# Altium PCB OpenPLCv0.2.0.PcbDoc (part 1 of 6)
Units mm, origin at the board's own origin, x right, y up, seen from the top; angles counter-clockwise.
Board outline 180 x 120 mm, 4 copper layers (Top Copper, Int1 Copper (GND), Int2 Copper (GND), Bottom Copper), stack 1.57 mm thick; 541 components, 405 nets, 1586 pads, 1395 vias.
Unrouted connection lines stored in the file: 4.
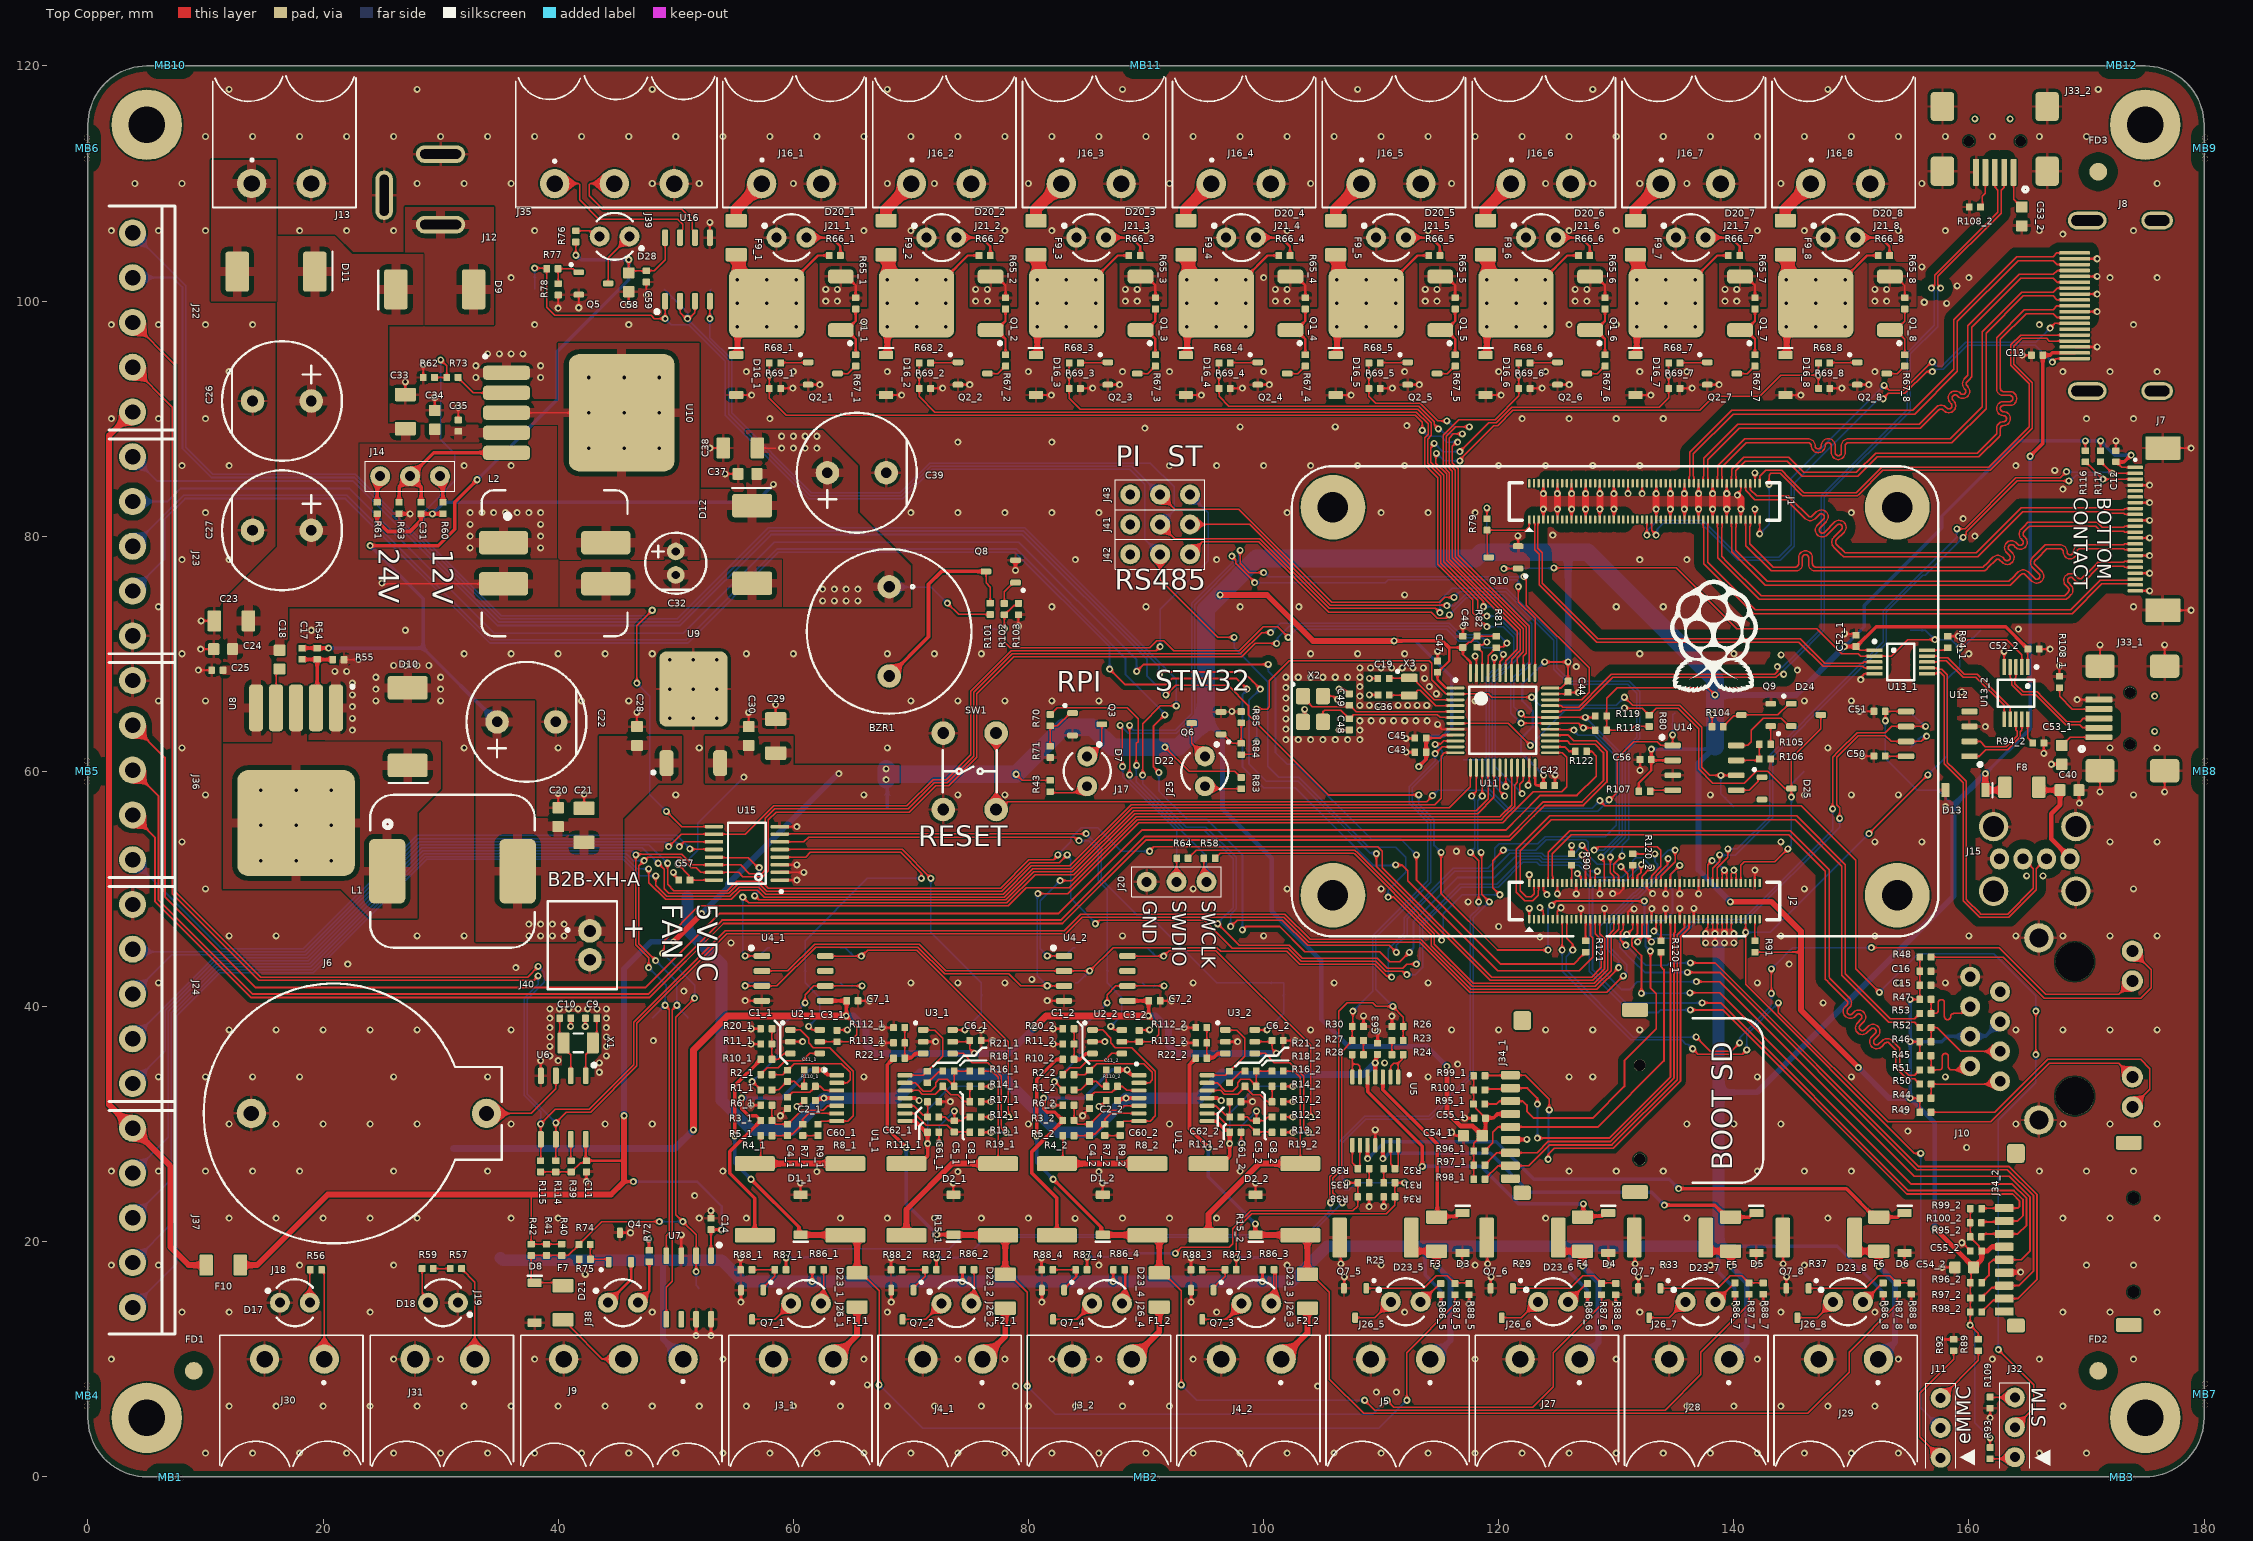
[diagram p0: Top Copper view]
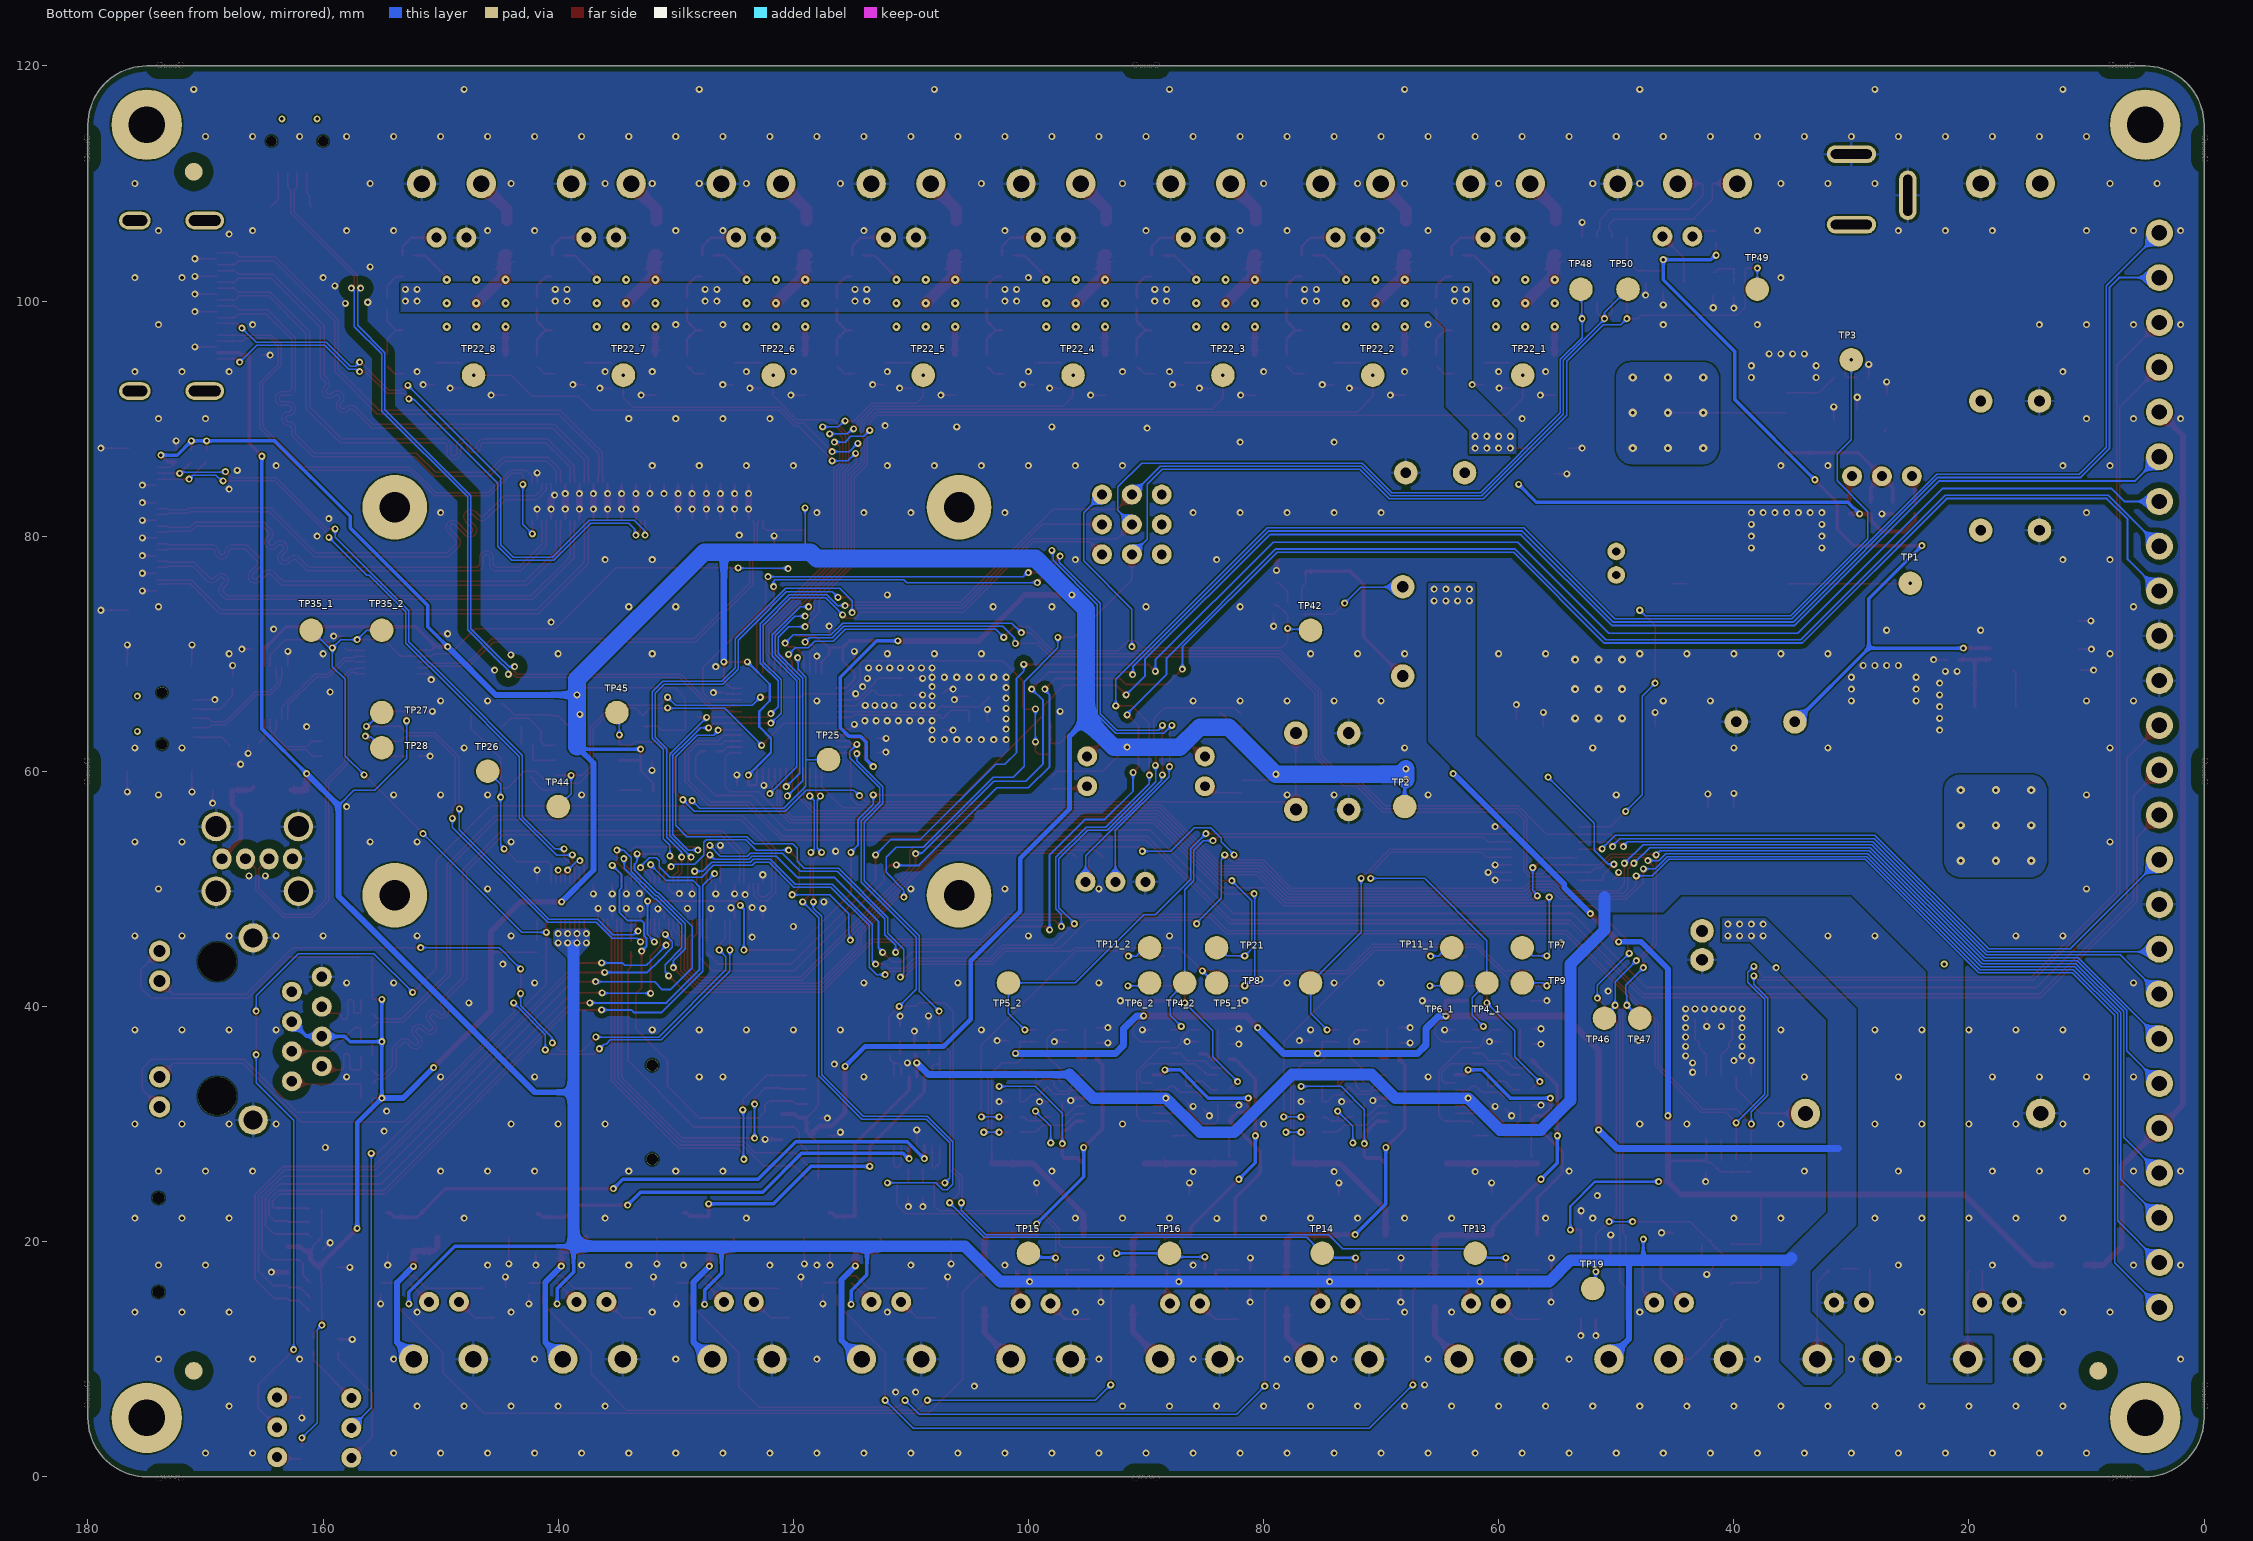
[diagram p1: Bottom Copper view, seen from below]
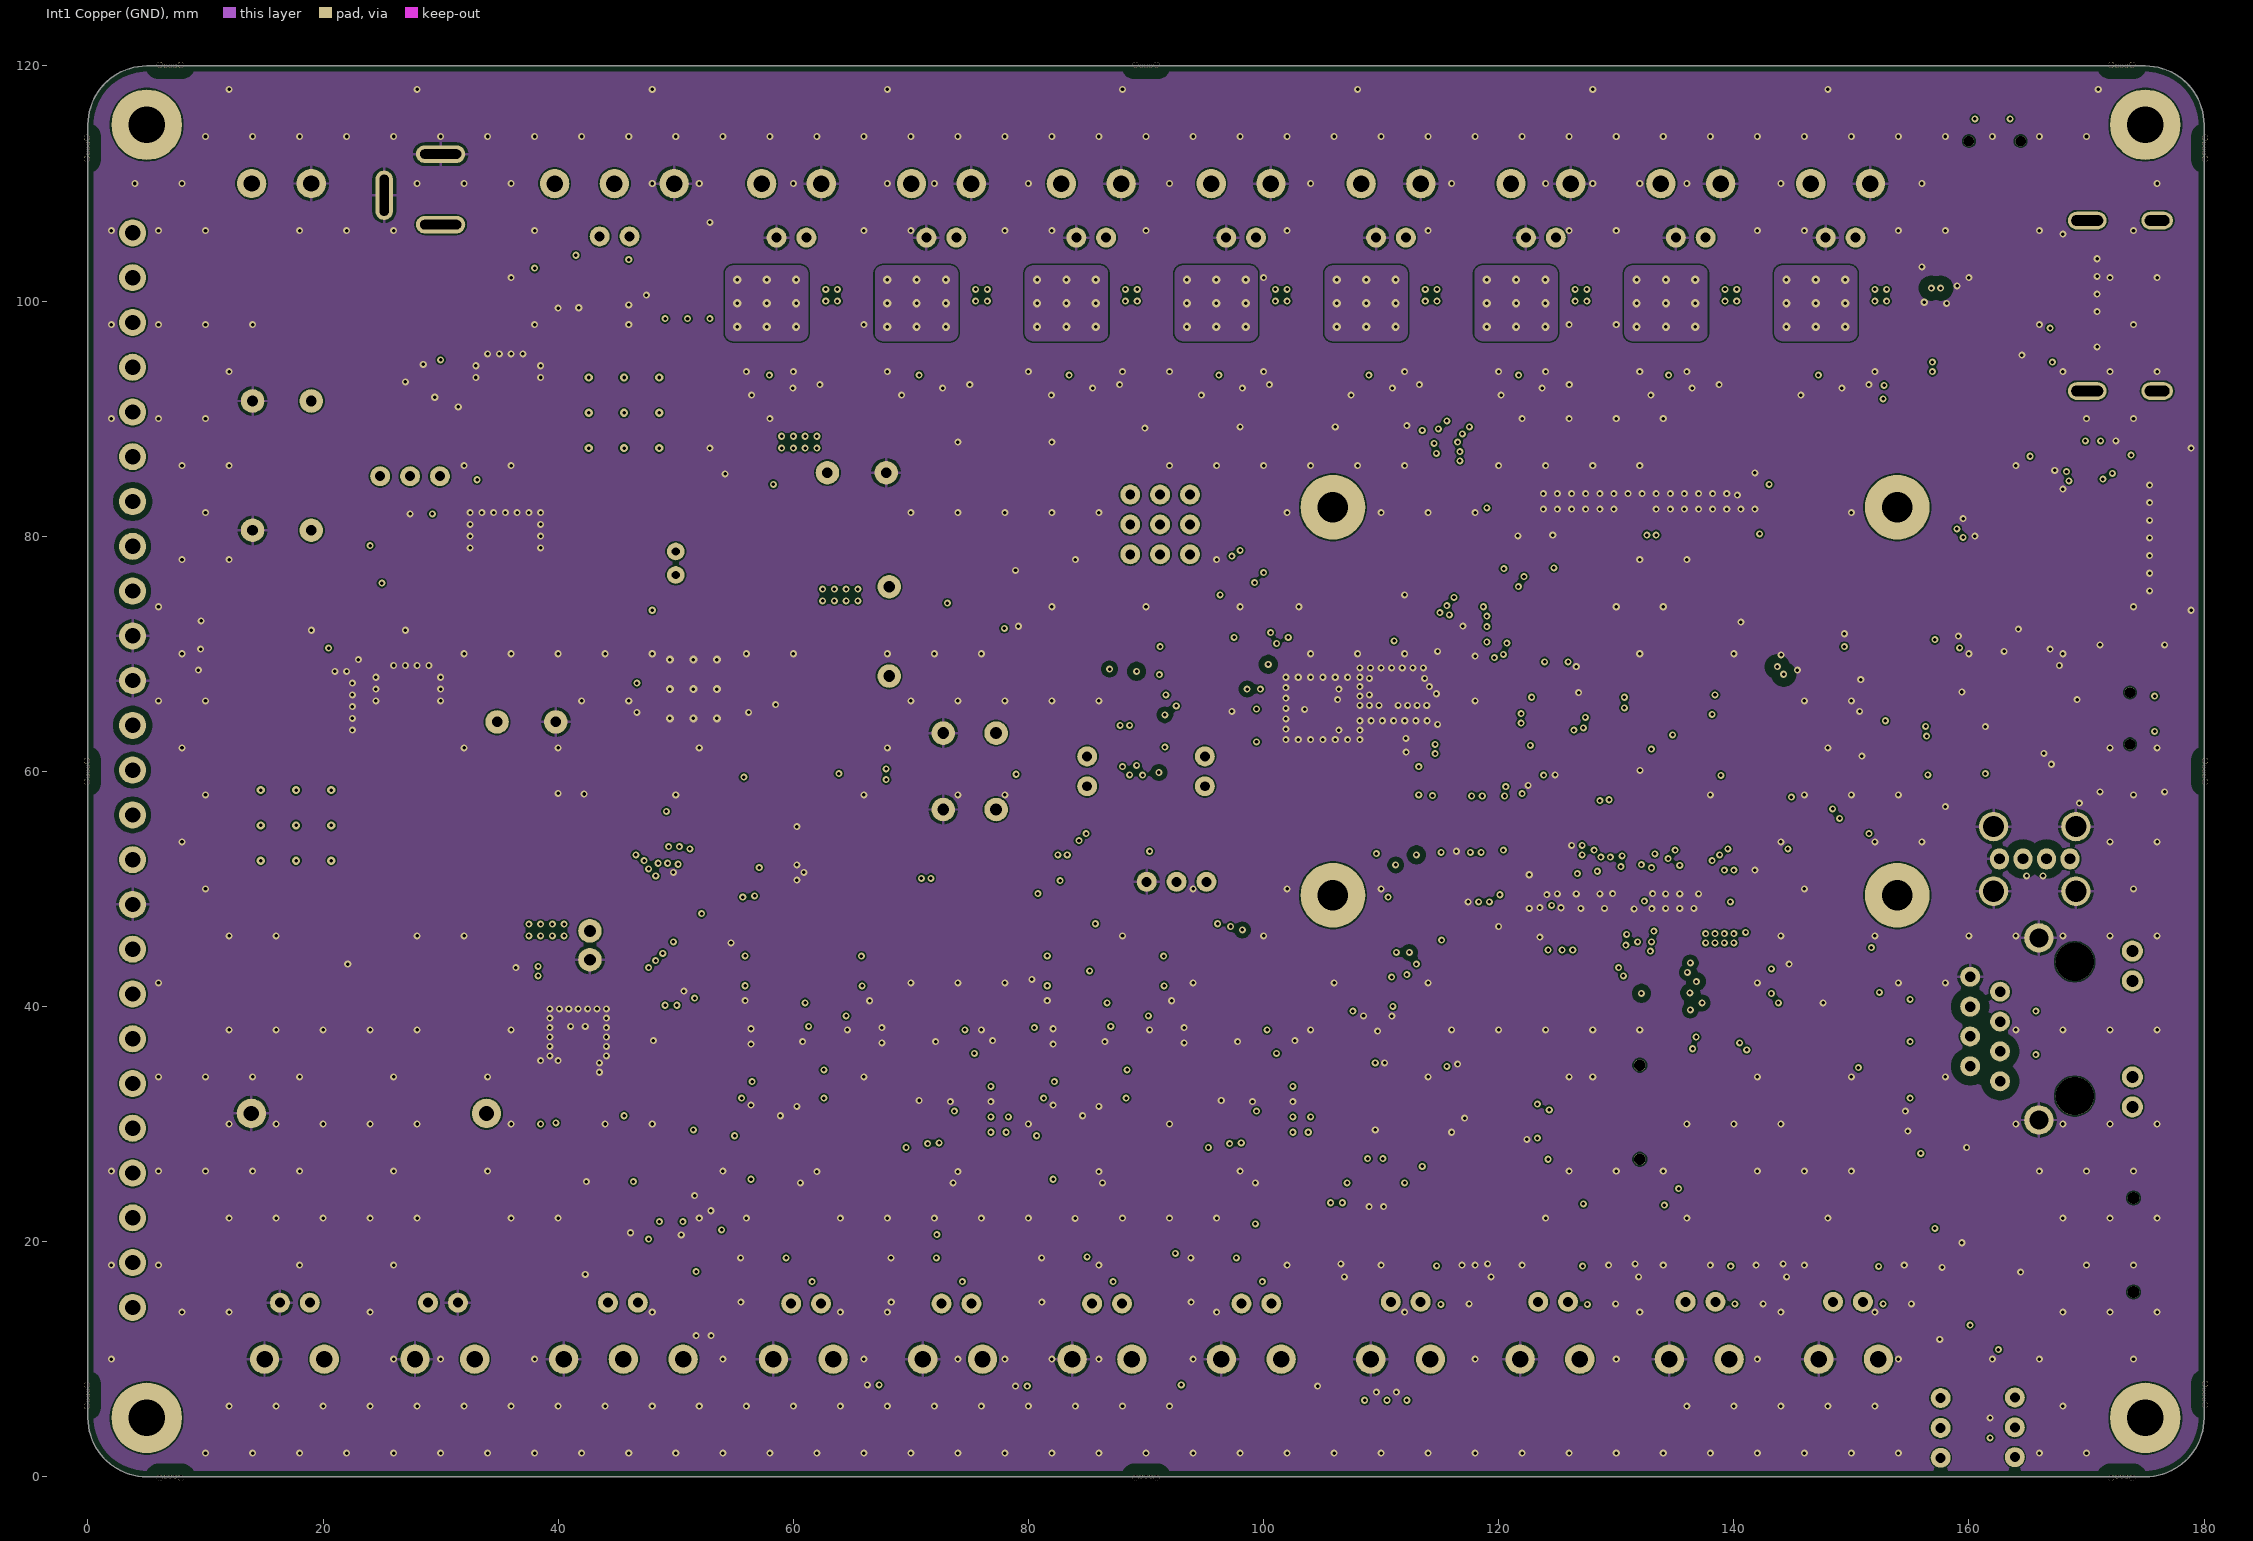
[diagram p2: Int1 Copper (GND)]